# Altium PCB FMC-USB-PHY-BOARD_r0.2.PcbDoc (part 1 of 2)
Units mm, origin at the board's own origin, x right, y up, seen from the top; angles counter-clockwise.
Board outline 81.5 x 49.6 mm, 4 copper layers (Top Layer, L2 GND, L3 PWR, Bottom Layer), stack 1.605 mm thick; 77 components, 54 nets, 356 pads, 430 vias.
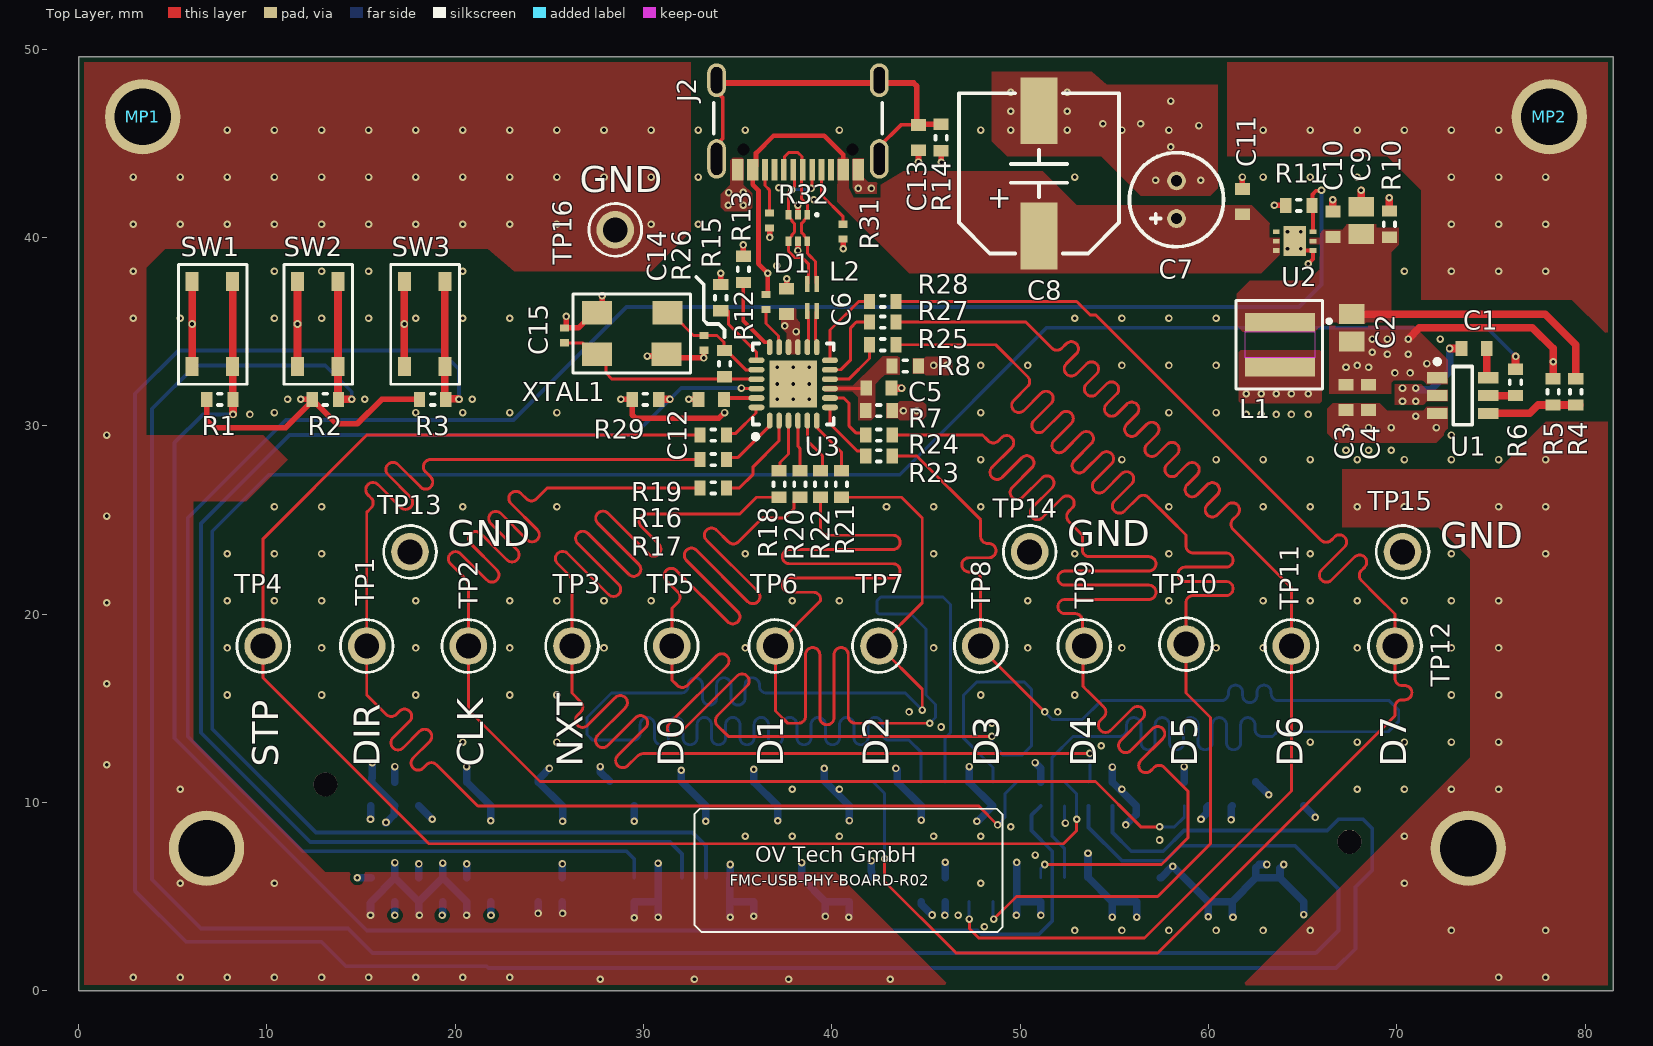
[diagram p0: Top Layer view]
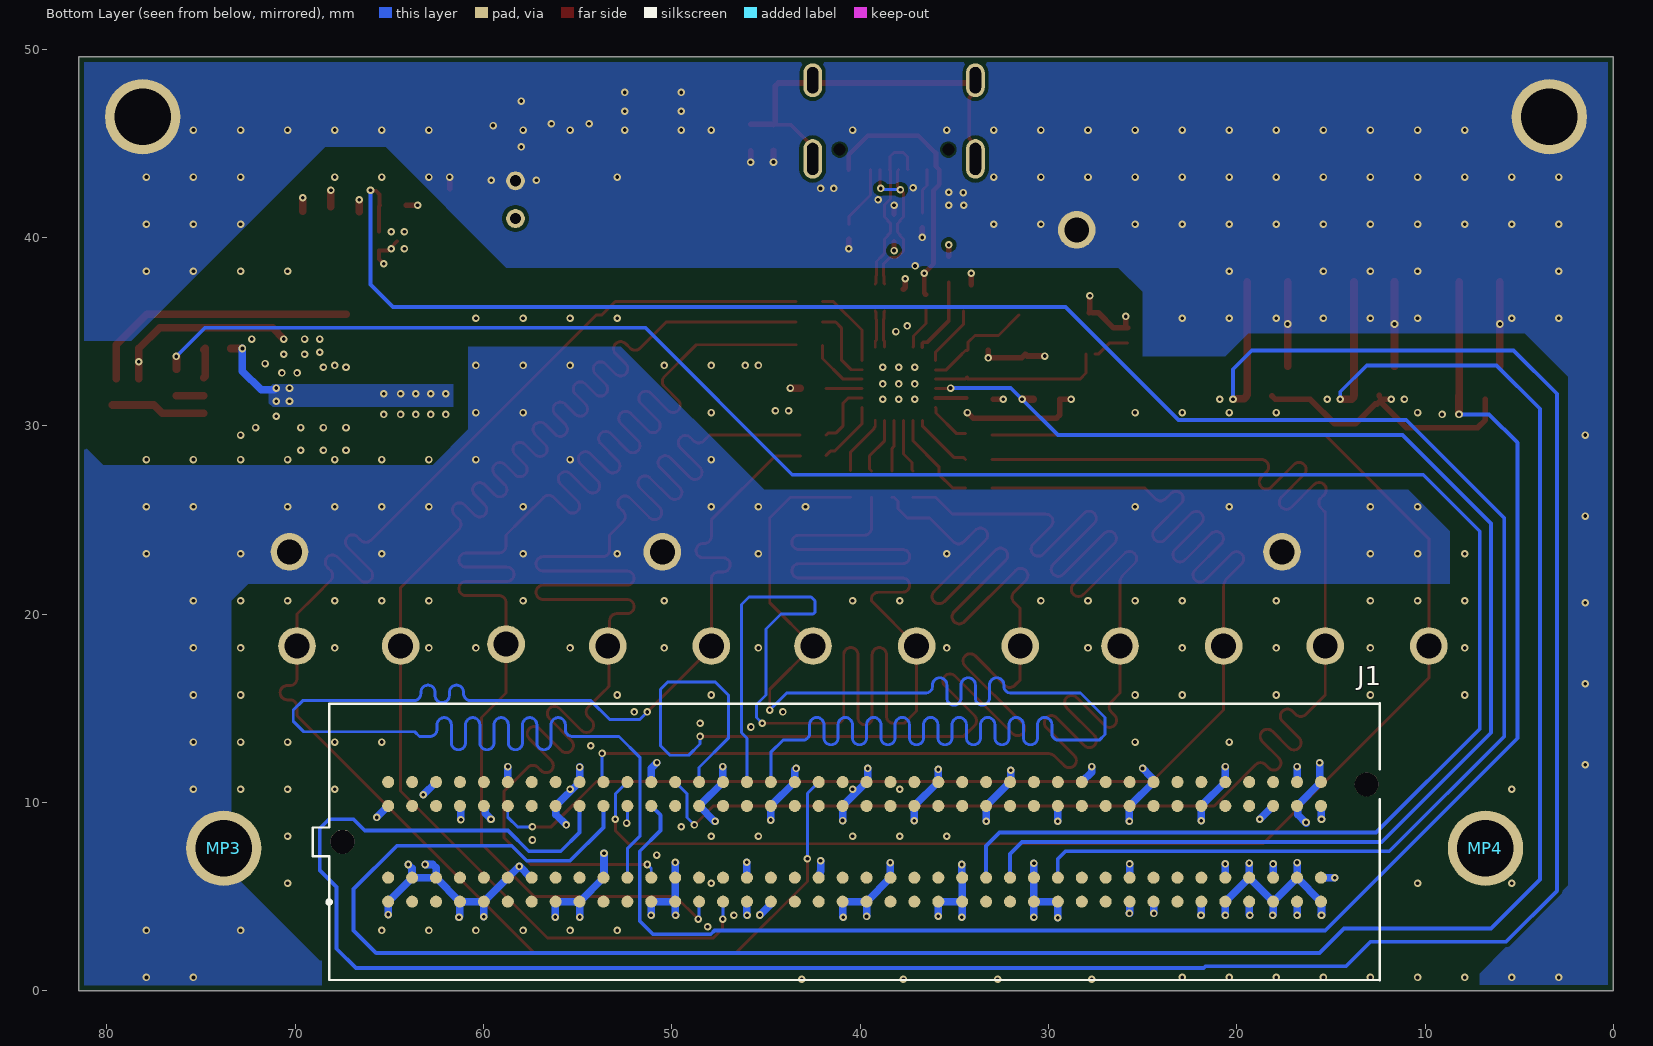
[diagram p1: Bottom Layer view, seen from below]
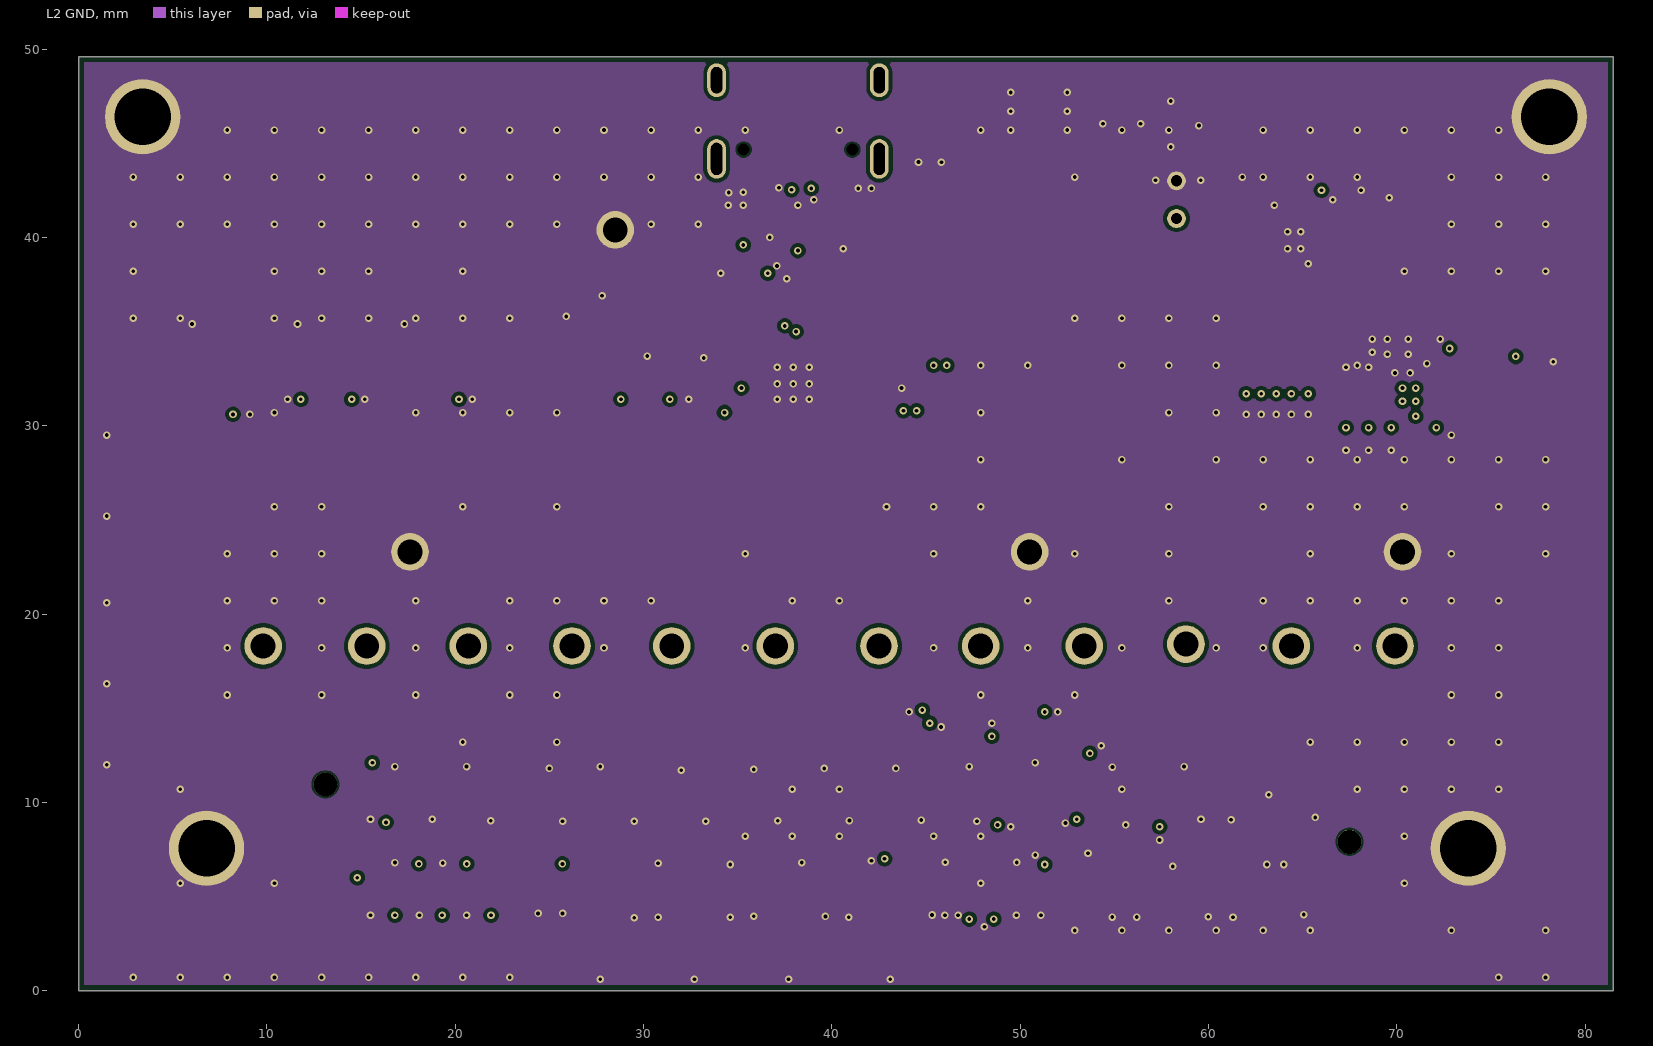
[diagram p2: L2 GND]
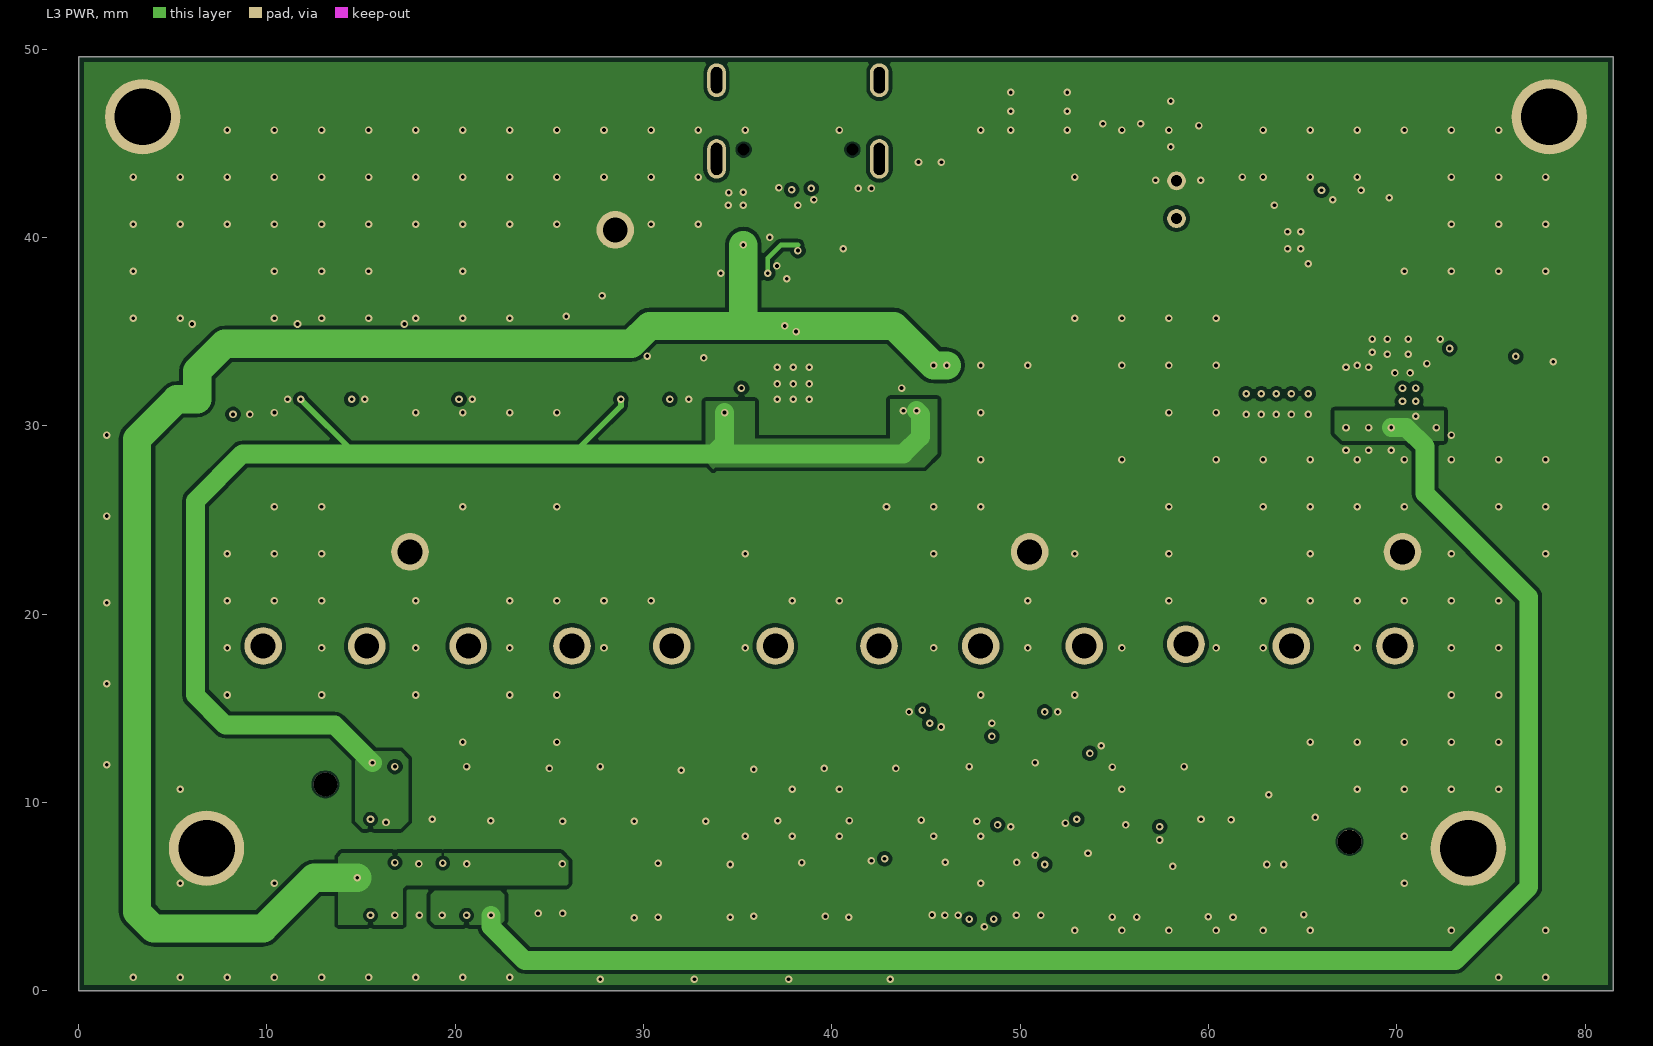
[diagram p3: L3 PWR]
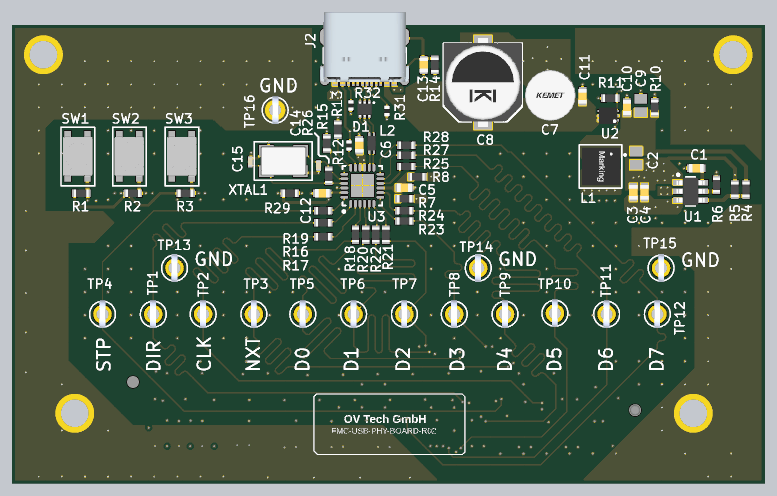
[diagram p5: 3D render of the assembled board from above, using the file's embedded part models]

## Layer stack, top to bottom
Top Solder: solder mask 0.0102, Solder Resist, Dk 3.5
Top Layer: signal copper 0.0356
Dielectric 2: prepreg 0.0994, PP-016, Dk 4.4
L2 GND: signal copper 0.035
Dielectric 1: core 1.265, FR-4, Dk 4.8
L3 PWR: signal copper 0.035
Dielectric 3: prepreg 0.0994, PP-016, Dk 4.4
Bottom Layer: signal copper 0.0356
Bottom Solder: solder mask 0.0102, Solder Resist, Dk 3.5

## Board outline
0,0 0,49.6 81.5,49.6 81.5,0

## Design rules (kind name [scope] priority, off if disabled: settings)
BoardOutlineClearance [All] p1: gap=0.3 ignorepadtopadclearanceinfootprint=FALSE
Clearance [All] p1: gap=0.1 ignorepadtopadclearanceinfootprint=TRUE except(0.2: Track-Poly SMDPad-Poly THPad-Poly Via-Poly Fill-Poly Poly-Poly)
ComponentClearance [All] p1: gap=0.1 collisioncheckmode=3 verticalgap=0.254 showdistances=FALSE
DiffPairsRouting [InDifferentialPairClass('DIFF90')] p1: maxlimit=0.2 minlimit=0.2 mostfreqgap=0.2 toplayer_minwidth=0.158 toplayer_maxwidth=0.158 toplayer_prefwidth=0.158 midlayer1_minwidth=0.096 midlayer1_maxwidth=0.096 midlayer1_prefwidth=0.096 midlayer2_minwidth=0.096 midlayer2_maxwidth=0.096 midlayer2_prefwidth=0.096 bottomlayer_minwidth=0.158 bottomlayer_maxwidth=0.158 bottomlayer_prefwidth=0.158 impedanceprofiledriven=TRUE impedanceprofileid={ED448A10-AC1D-4469-B987-F4B61B8F914F} impedanceprofilevalue=90.000000 maxuncoupledlength=12.7
HoleSize [All] p1: absolutevalues=TRUE maxlimit=6.3 minlimit=0.2 maxpercent=80.000 minpercent=20.000
HoleToHoleClearance [not IsPad] p1: gap=0.406 allowstackedmicrovias=TRUE
MinimumAnnularRing [All] p1 off: minimumring=0.15
MinimumSolderMaskSliver [not IsPad] p1: minsoldermaskwidth=0.1
PolygonConnect [All] p1: connectstyle=Direct reliefconductorwidth=0.254 reliefentries=4 polygonreliefangle="90 Angle" airgapwidth=0.254
RoutingVias [All] p1: holewidth=0.3 width=0.6 viastyle="Through Hole" minholewidth=0.2 minwidth=0.5 maxholewidth=6.3 maxwidth=0.8
SilkToSilkClearance [All] p1 off: silktosilkclearance=0.01
SilkToSolderMaskClearance [IsPad] p1: minsilkscreentomaskgap=0 clearancetoexposedcopper=TRUE
SolderMaskExpansion [All] p1: expansion=0.102 istentingtop=FALSE
SupplyNets "Schematic Supply Nets_5" [InNet('1V8_ADJ')] p1: voltage=0.000
SupplyNets "Schematic Supply Nets_4" [InNet('12V0')] p2: voltage=0.000
SupplyNets "Schematic Supply Nets_3" [InNet('3V3')] p3: voltage=0.000
SupplyNets "Schematic Supply Nets_2" [InNet('GND')] p4: voltage=0.000
SupplyNets "Schematic Supply Nets_1" [InNet('5V0')] p5: voltage=0.000
SupplyNets "Schematic Supply Nets" [InNet('VBUS')] p6: voltage=0.000
Width Width_S50 [InNetClass('S50')] p1: maxlimit=0.2 minlimit=0.1 preferedwidth=0.156 toplayer_minwidth=0.15 midlayer1_maxwidth=0.15 midlayer1_prefwidth=0.107 midlayer2_maxwidth=0.15 midlayer2_prefwidth=0.107 bottomlayer_minwidth=0.15 impedanceprofiledriven=TRUE impedanceprofileid={2BFCA3FB-B27E-4C05-A5B0-2CDF6915DFEA} impedanceprofilevalue=50.000000 minimp=50.000000 maximp=50.000000 favimp=50.000000
Width [All] p2: maxlimit=10 minlimit=0.15 preferedwidth=0.2
23 further rules are at their usual default settings.

## Classes and differential pairs
differential pair class DIFF90: USB USB_D USB_ESD
net class S50: USB_ULPI_CLK USB_ULPI_D0 USB_ULPI_D1 USB_ULPI_D2 USB_ULPI_D3 USB_ULPI_D4 USB_ULPI_D5 USB_ULPI_D6 USB_ULPI_D7 USB_ULPI_DIR USB_ULPI_NXT USB_ULPI_STP
differential pair USB: +USB_P -USB_N
differential pair USB_ESD: +USB_ESD_P -USB_ESD_N

## Components (designator, comment, footprint, x,y, rotation, side; value= is the part's Value field where it differs from the comment)
C1 "100nF 100V" CAPC1608X10L 74.1,34.1 r180 top
C2 "33µF 10V" CAPC2012X14L 67.6,35.2 r270 top
C3 "2.2µF 35V" CAPC1608X10L 67.3,31.5 r90 top
C4 "100nF 100V" CAPC1608X10L 68.5,31.5 r90 top
C5 "100nF 100V" CAPC1608X10L 42.5,32 r0 top
C6 "1µF 16V" CAPC1608X10L 37.6,36.6 r90 top
C7 "100µF 10V" CAP_Radial_5x8mm 58.3,42 r90 top
C8 "22µF 63V" CAPAE9083X70N 51,43.4 r90 top
C9 "10µF 16V" CAPC2012X14L 68.1,40.9 r90 top
C10 "100nF 100V" CAPC1608X10L 66.6,40.7 r90 top
C11 "100nF 100V" CAPC1608X10L 61.8,41.9 r90 top
C12 "1µF 16V" CAPC1608X10L 33.6,31.4 r180 top
C13 "100nF 100V" CAPC1608X10L 44.6,45.3 r270 top
C14 "30pF 50V" CAPC1005X06L 33.2,34.4 r270 top
C15 "30pF 50V" CAPC1005X06L 25.8,34.8 r90 top
D1 "82400152" WE-TVS_SOT563 38.2,40.5 r180 top
J1 "ASP-134604-01" "BOARD-TO-BOARD CON SAMTEC_ASP-134604-01" 40.295,7.905 r0 bottom
J2 "TYPE-C 16PIN 2MD(073)" "USB Type C - TYPE-C 16PIN 2MD(073)" 38.2,47.2 r180 top
L1 "6.8µH 3.75A" WE-MAPI_4030 63.8,34.3 r270 top
L2 "90Ohm 100mA" WE-CNSW_0603 38.947,36.804 r90 top
MP1 "MP_MOUNT_3MM_Plated" MP_3MM_PLATED 3.4,46.4 r0 top
MP2 "MP_MOUNT_3MM_Plated" MP_3MM_PLATED 78.1,46.4 r0 top
MP3 "MP_MOUNT_3MM_Plated" MP_3MM_PLATED 73.795,7.565 r180 bottom
MP4 "MP_MOUNT_3MM_Plated" MP_3MM_PLATED 6.795,7.565 r180 bottom
R1 "22kOhm 1%" RESC1608X04L 7.5,31.4 r180 top
R2 "22kOhm 1%" RESC1608X04L 13.1,31.4 r180 top
R3 "22kOhm 1%" RESC1608X04L 18.8,31.4 r180 top
R4 "100kOhm 1%" RESC1608X04L 79.5,31.8 r270 top
R5 "13.7kOhm 1%" RESC1608X04L 78.3,31.8 r270 top
R6 "0 Ohm" RESC1608X04L 76.3,32.3 r270 top
R7 "0 Ohm" RESC1608X04L 42.5,30.8 r0 top
R8 "0 Ohm" RESC1608X04L 43.897,33.17 r0 top
R10 "10kOhm 1%" RESC1608X04L 69.6,40.7 r270 top
R11 "22kOhm 1%" RESC1608X04L 64.8,41.7 r0 top
R12 "10k 1%" RESC1005X04L 36.5,36.57 r90 top
R13 "0 Ohm" RESC1608X04L 35.3,38.3 r90 top
R14 "330Ohm 1%" RESC1608X04L 45.8,45.3 r90 top
R15 "8.06kOhm 1%" RESC1608X04L 34.1,36.8 r90 top
R16 "0 Ohm" RESC1608X04L 33.7,28.2 r0 top
R17 "33Ohm 1%" RESC1608X04L 33.7,26.7 r0 top
R18 "0 Ohm" RESC1608X04L 37.2,26.9 r90 top
R19 "0 Ohm" RESC1608X04L 33.7,29.5 r0 top
R20 "0 Ohm" RESC1608X04L 38.3,26.9 r90 top
R21 "0 Ohm" RESC1608X04L 39.4,26.9 r90 top
R22 "0 Ohm" RESC1608X04L 40.5,26.9 r90 top
R23 "0 Ohm" RESC1608X04L 42.5,28.4 r180 top
R24 "0 Ohm" RESC1608X04L 42.5,29.5 r180 top
R25 "0 Ohm" RESC1608X04L 42.7,34.3 r180 top
R26 "1MOhm 1%" RESC1608X04L 34.305,33.295 r270 top
R27 "0 Ohm" RESC1608X04L 42.7,35.5 r180 top
R28 "0 Ohm" RESC1608X04L 42.7,36.6 r180 top
R29 "22kOhm 1%" RESC1608X04L 30.1,31.4 r180 top
R31 "5.1k 1%" RESC1005X04L 40.6,40.3 r90 top
R32 "5.1k 1%" RESC1005X04L 36.7,40.9 r90 top
SW1 "PTS815 SJM 250 SMTR LFS" "SW_TACT_PTS815 SJM 250 SMTR LFS" 7.1,35.4 r270 top
SW2 "PTS815 SJM 250 SMTR LFS" "SW_TACT_PTS815 SJM 250 SMTR LFS" 12.7,35.4 r270 top
SW3 "PTS815 SJM 250 SMTR LFS" "SW_TACT_PTS815 SJM 250 SMTR LFS" 18.375,35.4 r270 top
TP1 "4952" TP_KEYSTONE_4952 15.3,18.3 r180 top
TP2 "4952" TP_KEYSTONE_4952 20.7,18.3 r180 top
TP3 "4952" TP_KEYSTONE_4952 26.2,18.3 r180 top
TP4 "4952" TP_KEYSTONE_4952 9.8,18.3 r180 top
TP5 "4952" TP_KEYSTONE_4952 31.5,18.3 r180 top
TP6 "4952" TP_KEYSTONE_4952 37,18.3 r180 top
TP7 "4952" TP_KEYSTONE_4952 42.5,18.3 r180 top
TP8 "4952" TP_KEYSTONE_4952 47.9,18.3 r180 top
TP9 "4952" TP_KEYSTONE_4952 53.4,18.3 r180 top
TP10 "4952" TP_KEYSTONE_4952 58.8,18.4 r180 top
TP11 "4952" TP_KEYSTONE_4952 64.4,18.3 r180 top
TP12 "4952" TP_KEYSTONE_4952 69.9,18.3 r180 top
TP13 "4952" TP_KEYSTONE_4952 17.6,23.3 r180 top
TP14 "4952" TP_KEYSTONE_4952 50.5,23.3 r180 top
TP15 "4952" TP_KEYSTONE_4952 70.3,23.3 r0 top
TP16 "4952" TP_KEYSTONE_4952 28.5,40.4 r0 top
U1 "TPS54308DDC" SOT95P280X110-6N 73.5,31.6 r0 top
U2 "AP21510FM-7" QFN50P201X181X60_HS-7N 64.575,39.8 r180 top
U3 "USB3343" QFN50P400X400X100_HS-25M 37.947,32.22 r90 top
XTAL1 "ECS-260-18-30B-AGM-TR" XTAL_ECX-53B_5X3.2X0.85 29.4,34.9 r180 top

## Footprints (in the part's own frame and the unit in brackets; to place one, negate y for a bottom-side part, rotate by r counter-clockwise, add the part's x,y. Pads: shape width x height; smd on the part's side, far side on the other; paste and mask are expansions set on the pad)
"BOARD-TO-BOARD CON SAMTEC_ASP-134604-01" [mm]
  round 0.64 smd: C1(24.765,3.175) C2(23.495,3.175) C3(22.225,3.175) C4(20.955,3.175) C5(19.685,3.175) C6(18.415,3.175) C7(17.145,3.175) C8(15.875,3.175) C9(14.605,3.175) C10(13.335,3.175) C11(12.065,3.175) C12(10.795,3.175) C13(9.525,3.175) C14(8.255,3.175) C15(6.985,3.175) C16(5.715,3.175) C17(4.445,3.175) C18(3.175,3.175) C19(1.905,3.175) C20(0.635,3.175) C21(-0.635,3.175) C22(-1.905,3.175) C23(-3.175,3.175) C24(-4.445,3.175) C25(-5.715,3.175) C26(-6.985,3.175) C27(-8.255,3.175) C28(-9.525,3.175) C29(-10.795,3.175) C30(-12.065,3.175) C31(-13.335,3.175) C32(-14.605,3.175) C33(-15.875,3.175) C34(-17.145,3.175) C35(-18.415,3.175) C36(-19.685,3.175) C37(-20.955,3.175) C38(-22.225,3.175) C39(-23.495,3.175) C40(-24.765,3.175) D1(24.765,1.905) D2(23.495,1.905) D3(22.225,1.905) D4(20.955,1.905) D5(19.685,1.905) D6(18.415,1.905) D7(17.145,1.905) D8(15.875,1.905) D9(14.605,1.905) D10(13.335,1.905) D11(12.065,1.905) D12(10.795,1.905) D13(9.525,1.905) D14(8.255,1.905) D15(6.985,1.905) D16(5.715,1.905) D17(4.445,1.905) D18(3.175,1.905) D19(1.905,1.905) D20(0.635,1.905) D21(-0.635,1.905) D22(-1.905,1.905) D23(-3.175,1.905) D24(-4.445,1.905) D25(-5.715,1.905) D26(-6.985,1.905) D27(-8.255,1.905) D28(-9.525,1.905) D29(-10.795,1.905) D30(-12.065,1.905) D31(-13.335,1.905) D32(-14.605,1.905) D33(-15.875,1.905) D34(-17.145,1.905) D35(-18.415,1.905) D36(-19.685,1.905) D37(-20.955,1.905) D38(-22.225,1.905) D39(-23.495,1.905) D40(-24.765,1.905) G1(24.765,-1.905) G2(23.495,-1.905) G3(22.225,-1.905) G4(20.955,-1.905) G5(19.685,-1.905) G6(18.415,-1.905) G7(17.145,-1.905) G8(15.875,-1.905) G9(14.605,-1.905) G10(13.335,-1.905) G11(12.065,-1.905) G12(10.795,-1.905) G13(9.525,-1.905) G14(8.255,-1.905) G15(6.985,-1.905) G16(5.715,-1.905) G17(4.445,-1.905) G18(3.175,-1.905) G19(1.905,-1.905) G20(0.635,-1.905) G21(-0.635,-1.905) G22(-1.905,-1.905) G23(-3.175,-1.905) G24(-4.445,-1.905) G25(-5.715,-1.905) G26(-6.985,-1.905) G27(-8.255,-1.905) G28(-9.525,-1.905) G29(-10.795,-1.905) G30(-12.065,-1.905) G31(-13.335,-1.905) G32(-14.605,-1.905) G33(-15.875,-1.905) G34(-17.145,-1.905) G35(-18.415,-1.905) G36(-19.685,-1.905) G37(-20.955,-1.905) G38(-22.225,-1.905) G39(-23.495,-1.905) G40(-24.765,-1.905) H1(24.765,-3.175) H2(23.495,-3.175) H3(22.225,-3.175) H4(20.955,-3.175) H5(19.685,-3.175) H6(18.415,-3.175) H7(17.145,-3.175) H8(15.875,-3.175) H9(14.605,-3.175) H10(13.335,-3.175) H11(12.065,-3.175) H12(10.795,-3.175) H13(9.525,-3.175) H14(8.255,-3.175) H15(6.985,-3.175) H16(5.715,-3.175) H17(4.445,-3.175) H18(3.175,-3.175) H19(1.905,-3.175) H20(0.635,-3.175) H21(-0.635,-3.175) H22(-1.905,-3.175) H23(-3.175,-3.175) H24(-4.445,-3.175) H25(-5.715,-3.175) H26(-6.985,-3.175) H27(-8.255,-3.175) H28(-9.525,-3.175) H29(-10.795,-3.175) H30(-12.065,-3.175) H31(-13.335,-3.175) H32(-14.605,-3.175) H33(-15.875,-3.175) H34(-17.145,-3.175) H35(-18.415,-3.175) H36(-19.685,-3.175) H37(-20.955,-3.175) H38(-22.225,-3.175) H39(-23.495,-3.175) H40(-24.765,-3.175)
  round 1.27 hole 1.27 unplated: ""(-27.191,-3.05) ""(27.19,0)
  silkscreen extent -27.89,-7.35 28.78,7.35, body extent -27.89,-7.34 28.78,7.34, height 7.11
CAP_Radial_5x8mm [mm] "Radial_5x8mm"
  round 1 hole 0.6: 1(-1,0) 2(1,0)
  silkscreen extent -2.5,-2.5 2.5,2.5, body extent -2.74,-2.75 2.74,2.75, height 9.01
CAPAE9083X70N [mm] "Aluminum Electrolytic Capacitor, Body 8,30x8,30x7,00mm, IPC Medium Density"
  rect 3.55x1.95 smd: 1(-3.325,0) 2(3.325,0)
  silkscreen extent -4.25,-4.25 4.25,4.25, body extent -4.8,-4.25 4.8,4.25, height 7